# Altium PCB FisioV2.PcbDoc
Units mil, origin at the board's own origin, x right, y up, seen from the top; angles counter-clockwise.
Board outline 3896 x 2012 mil, 2 copper layers (Top Layer, Bottom Layer); 124 components, 107 nets, 494 pads, 48 vias.
Unrouted connection lines stored in the file: 38.
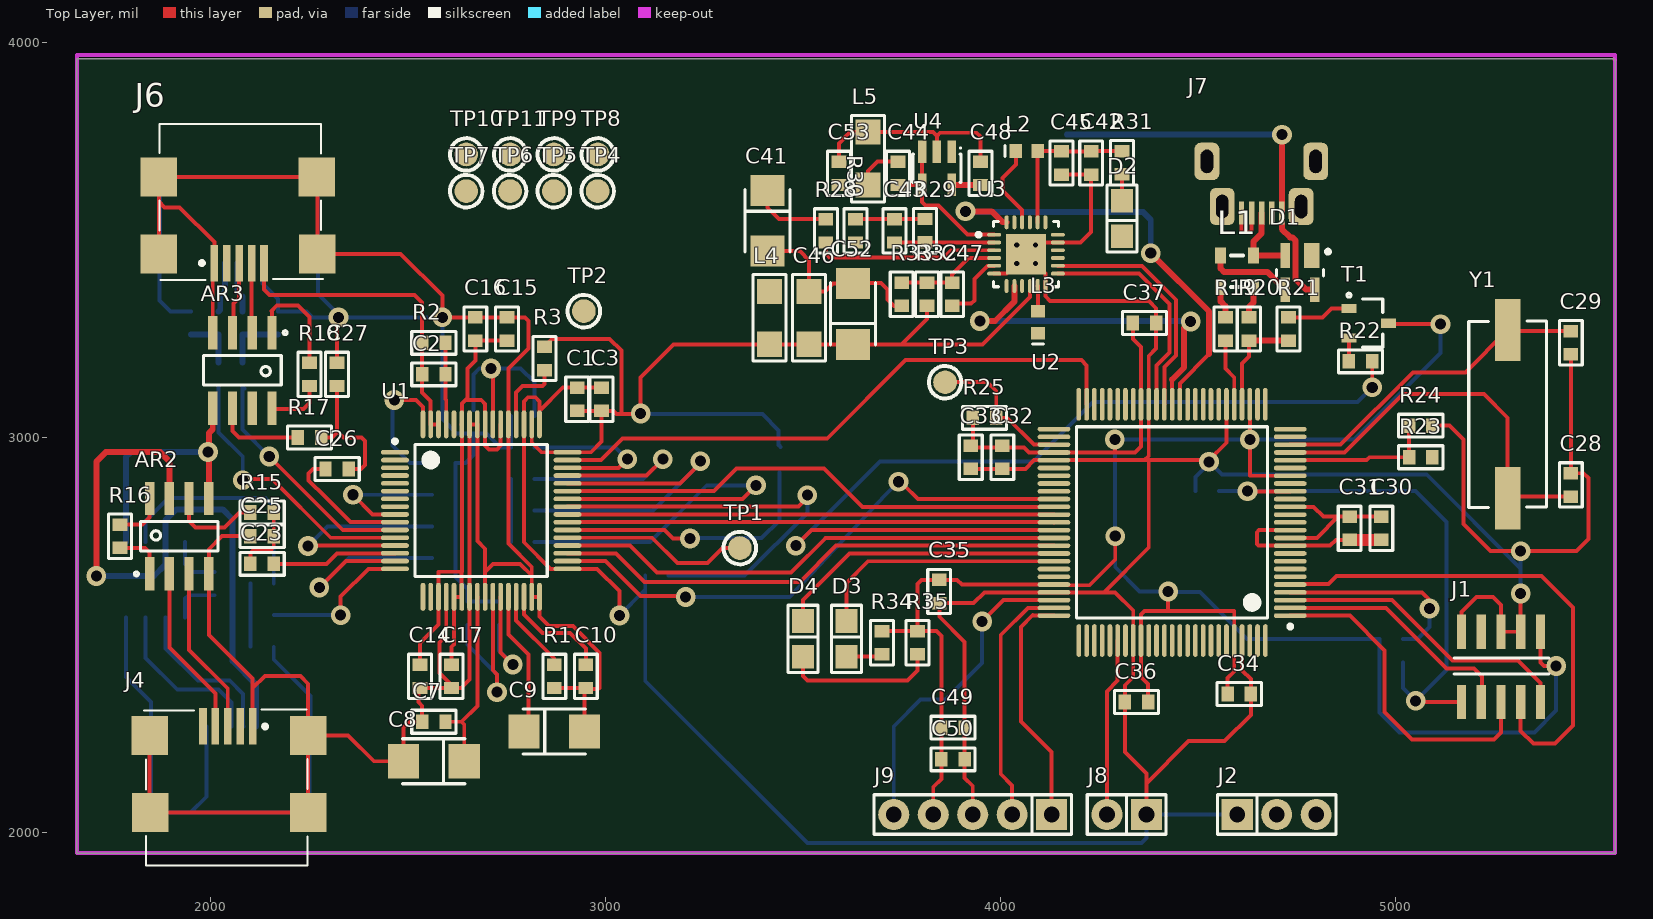
[diagram p0: Top Layer view]
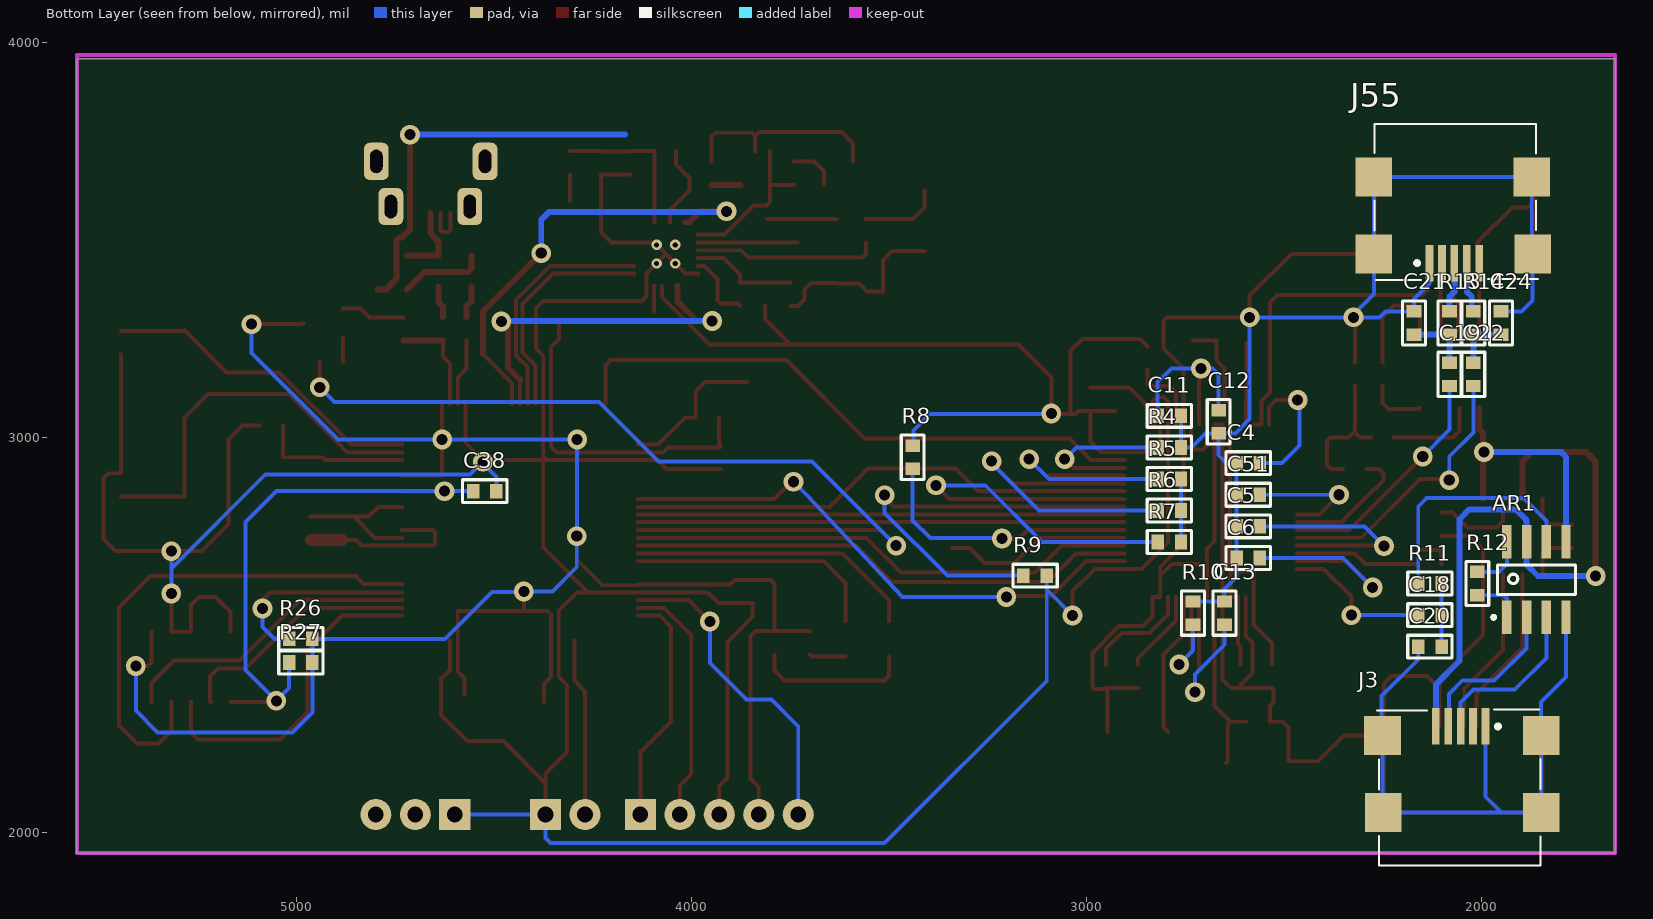
[diagram p1: Bottom Layer view, seen from below]

## Layer stack, top to bottom
Top Solder: solder mask 0.4, Solder Resist, Dk 3.5
Top Layer: signal copper 1.4
Dielectric1: dielectric 12.6, FR-4, Dk 4.8
Bottom Layer: signal copper 1.4
Bottom Solder: solder mask 0.4, Solder Resist, Dk 3.5

## Board outline
1661,1947 1661,3959 5554,3959 5557,3956 5557,1947

## Design rules (kind name [scope] priority, off if disabled: settings)
Clearance [All] p1: gap=7
ComponentClearance [All] p1: gap=0 collisioncheckmode=3 verticalgap=0 showdistances=FALSE
DiffPairsRouting [All] p1: maxlimit=10 minlimit=10 mostfreqgap=10 toplayer_minwidth=15 toplayer_maxwidth=15 toplayer_prefwidth=15 bottomlayer_minwidth=15 bottomlayer_maxwidth=15 bottomlayer_prefwidth=15 maxuncoupledlength=500
PolygonConnect [All] p1: connectstyle=Relief reliefconductorwidth=10 reliefentries=4 polygonreliefangle="90 Angle" airgapwidth=10
RoutingVias [All] p1: holewidth=28 width=50 viastyle="Through Hole" minholewidth=28 minwidth=50 maxholewidth=28 maxwidth=50
SilkToSolderMaskClearance SilkscreenOverComponentPads [IsPad] p1: minsilkscreentomaskgap=10 clearancetoexposedcopper=TRUE
SolderMaskExpansion [All] p1: expansion=4
Width [All] p1: maxlimit=30 minlimit=10 preferedwidth=15
26 further rules are at their usual default settings.

## Classes and differential pairs
component class ADS: C1 C2 C3 C4 C5 C6 C7 C8 C9 C10 C11 C12 C13 C14 C15 C16 C17 C51 R1 R2 R3 R4 R5 R6 R7 R8 R9 R10 TP1 TP2 U1
component class AFE: AR1 AR2 AR3 C18 C19 C20 C21 C22 C23 C24 C25 C26 C27 R11 R12 R13 R14 R15 R16 R17 R18
component class Bluetooth: C49 C50 J9
component class Microcontroller: D1 L1 R19 R20 R21 R22 T1
component class Peripherials: D3 D4 R23 R24 R25 R34 R35 TP3 U2
component class "Power Supply": C41 C42 C43 C44 C45 C46 C47 C48 C52 C53 D2 L2 L3 L4 L5 R28 R29 R30 R31 R32 R33 TP4 TP5 TP6 TP7 TP8 TP9 TP10 TP11 U3 U4
component class Supply: C28 C29 C30 C31 C32 C33 C34 C35 C36 C37 C38 J1 R26 R27 Y1
component class TopSheet: J2 J3 J4 J6 J7 J8 J55
differential pair USB: +USB_P -USB_N
differential pair US: +US_P -US_N
differential pair U: +U_P -U_N

## Components (designator, comment, footprint, x,y, rotation, side; value= is the part's Value field where it differs from the comment)
AR1 "Op Amp" SOIC8 1860,2640 r90 bottom
AR2 "Op Amp" SOIC8 1920,2750 r90 top
AR3 "Op Amp" SOIC8 2080,3170 r270 top
C1 "Capacitor" 0603 2928,3097 r90 top
C2 "Capacitor" 0603 2565,3160 r180 top
C3 "Capacitor" 0603 2990,3097 r90 top
C4 "Capacitor" 0603 2590,2935 r0 bottom
C5 "Capacitor" 0603 2590,2775 r180 bottom
C6 "Capacitor" 0603 2590,2695 r180 bottom
C7 "Capacitor" 0603 2565,2280 r0 top
C8 "CAPPOL" "1211 (3528)" 2565,2180 r180 top
C9 "CAPPOL" "1211 (3528)" 2870,2255 r0 top
C10 "Capacitor" 0603 2950,2395 r90 top
C11 "Capacitor" 0603 2790,3055 r0 bottom
C12 "Capacitor" 0603 2665,3040 r90 bottom
C13 "Capacitor" 0603 2650,2555 r270 bottom
C14 "Capacitor" 0603 2530,2395 r270 top
C15 "Capacitor" 0603 2750,3275 r90 top
C16 "Capacitor" 0603 2670,3275 r90 top
C17 "Capacitor" 0603 2610,2395 r270 top
C18 "Capacitor" 0603 2130,2550 r0 bottom
C19 "Capacitor" 0603 2080,3160 r270 bottom
C20 "Capacitor" 0603 2130,2470 r0 bottom
C21 "Capacitor" 0603 2170,3290 r90 bottom
C22 "Capacitor" 0603 2020,3160 r270 bottom
C23 "Capacitor" 0603 2130,2680 r0 top
C24 "Capacitor" 0603 1950,3290 r90 bottom
C25 "Capacitor" 0603 2130,2750 r180 top
C26 "Capacitor" 0603 2320,2920 r180 top
C27 "Capacitor" 0603 2320,3160 r90 top
C28 "Capacitor" 0603 5445,2880 r270 top
C29 "Capacitor" 0603 5445,3240 r90 top
C30 "Capacitor" 0603 4965,2770 r90 top
C31 "Capacitor" 0603 4885,2770 r90 top
C32 "Capacitor" 0603 4005,2950 r270 top
C33 "Capacitor" 0603 3925,2950 r270 top
C34 "Capacitor" 0603 4605,2350 r0 top
C35 "Capacitor" 0603 3845,2610 r270 top
C36 "Capacitor" 0603 4345,2330 r180 top
C37 "Capacitor" 0603 4365,3290 r0 top
C38 "Capacitor" 0603 4524,2864 r180 bottom
C41 "CAPPOL" "1211 (3528)" 3410,3549 r270 top
C42 "Capacitor" 0603 4230,3695.47 r270 top
C43 "Capacitor" 0603 3732,3523.53 r90 top
C44 "Capacitor" 0603 3741,3669.2 r270 top
C45 "Capacitor" 0603 4155,3695.47 r90 top
C46 "Capacitor" 1206 3515.35,3303 r90 top
C47 "Capacitor" 0603 3878,3363 r90 top
C48 "Capacitor" 0603 3950,3669.2 r270 top
C49 "Capacitor" 0603 3880,2265 r0 top
C50 "Capacitor" 0603 3880,2185 r0 top
C51 "Capacitor" 0603 2590,2855 r180 bottom
C52 "CAPPOL" "1211 (3528)" 3627,3313 r90 top
C53 "Capacitor" 0603 3591,3669.2 r270 top
D1 "ESD Diode" SOT-143_M 4759,3417.69 r270 top
D2 "LED" LED0805 4308,3555 r270 top
D3 "LED" LED0805 3610,2490 r90 top
D4 "LED" LED0805 3500,2490 r90 top
J1 "JTAG" JTAG_CON 5190,2405 r270 top
J2 "CON3" SIP3 4700,2045 r0 top
J3 "usb" USB_Mini_TipoB 2070,2300 r270 bottom
J4 "usb" USB_Mini_TipoB 2025,2300 r270 top
J6 "usb" USB_Mini_TipoB 2090,3410 r90 top
J7 "USB" USB_Micro-B_USB 4662,3789 r180 top
J8 "CON2" SIP2 4320,2045 r180 top
J9 "CON5" SIP5 4130,2045 r180 top
J55 "usb" USB_Mini_TipoB 2050,3410 r90 bottom
L1 "Choke Coil" 1206-4 4599,3421 r180 top
L2 "Inductor" INDC1608L 4066.97,3725.47 r0 top
L3 "Inductor" INDC1608L 4095,3292 r90 top
L4 "Inductor Iron" 1206 3415,3303 r90 top
L5 "Inductor Iron" 1206 3665,3706.68 r270 top
R1 "Resistor" 0603 2870,2395 r90 top
R2 "Resistor" 0603 2565,3240 r0 top
R3 "Resistor" 0603 2845,3200 r90 top
R4 "Resistor" 0603 2790,2975 r180 bottom
R5 "Resistor" 0603 2790,2895 r180 bottom
R6 "Resistor" 0603 2790,2815 r180 bottom
R7 "Resistor" 0603 2790,2735 r180 bottom
R8 "Resistor" 0603 3440,2950 r90 bottom
R9 "Resistor" 0603 3130,2650 r180 bottom
R10 "Resistor" 0603 2730,2555 r270 bottom
R11 "Resistor" 0603 2130,2630 r180 bottom
R12 "Resistor" 0603 2010,2630 r90 bottom
R13 "Resistor" 0603 2080,3290 r270 bottom
R14 "Resistor" 0603 2020,3290 r270 bottom
R15 "Resistor" 0603 2130,2810 r0 top
R16 "Resistor" 0603 1770,2750 r90 top
R17 "Resistor" 0603 2250,3000 r0 top
R18 "Resistor" 0603 2250,3160 r270 top
R19 "Resistor" 0603 4570,3275 r270 top
R20 "Resistor" 0603 4630,3275 r270 top
R21 "Resistor" 0603 4730,3275 r270 top
R22 "Resistor" 0603 4912.47,3193 r0 top
R23 "Resistor" 0603 5065,2950 r0 top
R24 "Resistor" 0603 5065,3030 r180 top
R25 "Resistor" 0603 3960,3050 r0 top
R26 "Resistor" 0603 4990,2490 r180 bottom
R27 "Resistor" 0603 4990,2430 r180 bottom
R28 "Resistor" 0603 3558,3523.53 r270 top
R29 "Resistor" 0603 3809,3524 r270 top
R30 "Resistor" 0603 3633,3523.53 r90 top
R31 "Resistor" 0603 4308,3695.94 r90 top
R32 "Resistor" 0603 3814,3363 r90 top
R33 "Resistor" 0603 3750,3363 r270 top
R34 "Resistor" 0603 3700,2480 r90 top
R35 "Resistor" 0603 3790,2480 r90 top
T1 "PNP" SOT23 4882.94,3327 r270 top
TP1 "CLK" PAD 3340,2720 r0 top
TP2 "VCAP3" PAD 2945,3320 r0 top
TP3 "TP" PAD 3860,3140 r180 top
TP4 "VBUS" PAD 2980,3624 r0 top
TP5 "VB" PAD 2869,3624 r0 top
TP6 "LDO" PAD 2758,3624 r0 top
TP7 "VDD" PAD 2647,3624 r0 top
TP8 "VREF" PAD 2980,3717 r0 top
TP9 "AVDD" PAD 2869,3717 r0 top
TP10 "GND" PAD 2647,3717 r90 top
TP11 "AGND" PAD 2758,3717 r90 top
U1 "ADS1298" PAG64 2685,2820 r0 top
U2 "LPC176x" QFP100 4435,2785 r180 top
U3 "Battery Charger" QFN24 4065,3464.47 r0 top
U4 "Voltage Reference" SOT23-5 3839,3682 r180 top
Y1 "12MHz" "Cristal SMD" 5285,3060 r270 top

## Footprints (in the part's own frame and the unit in brackets; to place one, negate y for a bottom-side part, rotate by r counter-clockwise, add the part's x,y. Pads: shape width x height; smd on the part's side, far side on the other; paste and mask are expansions set on the pad)
0603 [mm] "Pasivo 0603"
  rect 0.8x0.95 smd: 1(-0.75,0) 2(0.75,0)
  silkscreen extent -1.42,-0.74 1.42,0.74, body extent -0.8,-0.41 0.8,0.39, height 0.44
1206 [mil] "Pasivo 1206"
  rect 64x64 smd: 1(-67,0) 2(67,0)
  silkscreen extent -109,-42 110,42, body extent -62,-32 63,31, height 20
1206-4 [mil] "1206 4 pin"
  rect 27.56x39.37 smd: 1(-42,-40) 2(-42,40) 3(41,40) 4(41,-40)
  silkscreen extent -16,-40 15,40, body extent -43,-63 31,63, height 45
"1211 (3528)" [mm] "3528"
  rect 2x2.2 smd: 1(-1.956,0) 2(1.956,0)
  silkscreen extent -2.01,-1.45 2.01,1.45, body extent -1.85,-1.46 1.85,1.47, height 2.03
"Cristal SMD" [mil]
  rect 157.48x64 smd: 1(-212,0) 2(214,0)
  silkscreen extent -235,-98 237,98, body extent -251,-95 253,95, height 169
INDC1608L [mm] "Chip Inductor, Body 1.6x0.8mm, IPC High Density"
  rect 0.8x0.9 smd: 1(-0.7,0) 2(0.7,0)
  silkscreen extent -1.4,-0.35 -1.4,0.35, body extent -0.87,-0.48 0.87,0.48, height 0.55
JTAG_CON [mm]
  rect 2.2x0.6 smd: 1(-2.616,4.521) 2(1.913,4.521) 3(-2.616,3.251) 4(1.913,3.251) 5(-2.616,1.981) 6(1.913,1.981) 7(-2.616,0.711) 8(1.913,0.711) 9(-2.616,-0.559) 10(1.913,-0.559)
  silkscreen extent -0.91,-1.04 0.1,5.08, body extent -3.16,-1.17 2.34,5.18, height 4.5
LED0805 [mil] "LED SMD 0805"
  rect 60x56 smd: 1(-45,0) 2(45,0)
  silkscreen extent -85,-38 85,38, body extent -41,-18 41,18, height 33
PAD [mil] "Test Point Pad"
  round 60 smd: 1(0,0)
  silkscreen extent -41,-41 41,41
PAG64 [mm]
  oval 1.8x0.3 smd: 1(-5.55,3.623) 2(-5.55,3.123) 3(-5.55,2.623) 4(-5.55,2.123) 5(-5.55,1.623) 6(-5.55,1.123) 7(-5.55,0.623) 8(-5.55,0.123) 9(-5.55,-0.377) 10(-5.55,-0.877) 11(-5.55,-1.377) 12(-5.55,-1.877) 13(-5.55,-2.377) 14(-5.55,-2.877) 15(-5.55,-3.377) 16(-5.55,-3.877) 33(5.55,-3.877) 34(5.55,-3.377) 35(5.55,-2.877) 36(5.55,-2.377) 37(5.55,-1.877) 38(5.55,-1.377) 39(5.55,-0.877) 40(5.55,-0.377) 41(5.55,0.123) 42(5.55,0.623) 43(5.55,1.123) 44(5.55,1.623) 45(5.55,2.123) 46(5.55,2.623) 47(5.55,3.123) 48(5.55,3.623)
  oval 0.3x1.8 smd: 17(-3.75,-5.677) 18(-3.25,-5.677) 19(-2.75,-5.677) 20(-2.25,-5.677) 21(-1.75,-5.677) 22(-1.25,-5.677) 23(-0.75,-5.677) 24(-0.25,-5.677) 25(0.25,-5.677) 26(0.75,-5.677) 27(1.25,-5.677) 28(1.75,-5.677) 29(2.25,-5.677) 30(2.75,-5.677) 31(3.25,-5.677) 32(3.75,-5.677) 49(3.75,5.423) 50(3.25,5.423) 51(2.75,5.423) 52(2.25,5.423) 53(1.75,5.423) 54(1.25,5.423) 55(0.75,5.423) 56(0.25,5.423) 57(-0.25,5.423) 58(-0.75,5.423) 59(-1.25,5.423) 60(-1.75,5.423) 61(-2.25,5.423) 62(-2.75,5.423) 63(-3.25,5.423) 64(-3.75,5.423)
  silkscreen extent -5.67,-4.38 4.25,4.45, body extent -5.73,-5.92 5.84,5.66, height 1
QFN24 [mm] "24-Pin Plastic Quad Flat No-Lead 0.5 mm Pitch, IPC Low Density"
  oval 0.9x0.25 smd: 1(-2.05,1.25) 2(-2.05,0.75) 3(-2.05,0.25) 4(-2.05,-0.25) 5(-2.05,-0.75) 6(-2.05,-1.25) 13(2.05,-1.25) 14(2.05,-0.75) 15(2.05,-0.25) 16(2.05,0.25) 17(2.05,0.75) 18(2.05,1.25)
  oval 0.25x0.9 smd: 7(-1.25,-2.05) 8(-0.75,-2.05) 9(-0.25,-2.05) 10(0.25,-2.05) 11(0.75,-2.05) 12(1.25,-2.05) 19(1.25,2.05) 20(0.75,2.05) 21(0.25,2.05) 22(-0.25,2.05) 23(-0.75,2.05) 24(-1.25,2.05)
  rect 2.6x2.6 smd: 25(0,0)
  silkscreen extent -3.17,-2.1 2.1,2.1, body extent -2.07,-2.07 2.07,2.07, height 1
QFP100 [mm] "Thin QFP, 100-Leads, Body 14x14mm, Pitch 0.5mm, IPC Low Density"
  oval 2.1x0.3 smd: 1(-7.6,6) 2(-7.6,5.5) 3(-7.6,5) 4(-7.6,4.5) 5(-7.6,4) 6(-7.6,3.5) 7(-7.6,3) 8(-7.6,2.5) 9(-7.6,2) 10(-7.6,1.5) 11(-7.6,1) 12(-7.6,0.5) 13(-7.6,0) 14(-7.6,-0.5) 15(-7.6,-1) 16(-7.6,-1.5) 17(-7.6,-2) 18(-7.6,-2.5) 19(-7.6,-3) 20(-7.6,-3.5) 21(-7.6,-4) 22(-7.6,-4.5) 23(-7.6,-5) 24(-7.6,-5.5) 25(-7.6,-6) 51(7.6,-6) 52(7.6,-5.5) 53(7.6,-5) 54(7.6,-4.5) 55(7.6,-4) 56(7.6,-3.5) 57(7.6,-3) 58(7.6,-2.5) 59(7.6,-2) 60(7.6,-1.5) 61(7.6,-1) 62(7.6,-0.5) 63(7.6,0) 64(7.6,0.5) 65(7.6,1) 66(7.6,1.5) 67(7.6,2) 68(7.6,2.5) 69(7.6,3) 70(7.6,3.5) 71(7.6,4) 72(7.6,4.5) 73(7.6,5) 74(7.6,5.5) 75(7.6,6)
  oval 0.3x2.1 smd: 26(-6,-7.6) 27(-5.5,-7.6) 28(-5,-7.6) 29(-4.5,-7.6) 30(-4,-7.6) 31(-3.5,-7.6) 32(-3,-7.6) 33(-2.5,-7.6) 34(-2,-7.6) 35(-1.5,-7.6) 36(-1,-7.6) 37(-0.5,-7.6) 38(0,-7.6) 39(0.5,-7.6) 40(1,-7.6) 41(1.5,-7.6) 42(2,-7.6) 43(2.5,-7.6) 44(3,-7.6) 45(3.5,-7.6) 46(4,-7.6) 47(4.5,-7.6) 48(5,-7.6) 49(5.5,-7.6) 50(6,-7.6) 76(6,7.6) 77(5.5,7.6) 78(5,7.6) 79(4.5,7.6) 80(4,7.6) 81(3.5,7.6) 82(3,7.6) 83(2.5,7.6) 84(2,7.6) 85(1.5,7.6) 86(1,7.6) 87(0.5,7.6) 88(0,7.6) 89(-0.5,7.6) 90(-1,7.6) 91(-1.5,7.6) 92(-2,7.6) 93(-2.5,7.6) 94(-3,7.6) 95(-3.5,7.6) 96(-4,7.6) 97(-4.5,7.6) 98(-5,7.6) 99(-5.5,7.6) 100(-6,7.6)
  silkscreen extent -7.73,-6.15 6.15,6.82, body extent -8.01,-8.01 8.01,8.01, height 1.1
SIP2 [mm]
  rect 2x2 hole 1.016: 1(-1.27,0)
  round 2 hole 1.016: 2(1.27,0)
  silkscreen extent -2.54,-1.27 2.54,1.27, body extent -2.54,-1.27 2.54,1.27, height 8.29
SIP3 [mm]
  rect 2x2 hole 1.016: 1(-2.54,0)
  round 2 hole 1.016: 2(0,0) 3(2.54,0)
  silkscreen extent -3.81,-1.27 3.81,1.27, body extent -3.81,-1.3 3.81,1.24, height 8.38
SIP5 [mm]
  rect 2x2 hole 1.016: 1(0,0)
  round 2 hole 1.016: 2(2.54,0) 3(5.08,0) 4(7.62,0) 5(10.16,0)
  silkscreen extent -1.27,-1.27 11.43,1.27, body extent -1.27,-1.27 11.43,1.27, height 8.38
SOIC8 [mm]
  rect 2.15x0.6 smd: 1(-2.425,1.905) 2(-2.425,0.635) 3(-2.425,-0.635) 4(-2.425,-1.905) 5(2.425,-1.905) 6(2.425,-0.635) 7(2.425,0.635) 8(2.425,1.905)
  silkscreen extent -2.55,-2.5 0.95,2.88, body extent -3.01,-2.51 3.01,2.49, height 1.75
SOT23 [mm]
  rect 0.6x0.95 smd: 1(0,0) 2(1.9,0) 3(0.95,2.55)
  silkscreen extent -0.97,-0.12 2.5,2.17, body extent -0.53,-0.25 2.47,2.88, height 1
SOT23-5 [mm] "SOT-23/SC-74A; 5 Leads; Body 3 x 3 mm, inc. leads (LxW max)"
  rect 0.55x1.45 smd: 1(-0.95,-1.075) 2(0,-1.075) 3(0.95,-1.075) 4(0.95,1.075) 5(-0.95,1.075)
  silkscreen extent -1.58,-1.35 1.55,0.9, body extent -1.46,-1.17 1.46,1.17, height 1
SOT-143_M [mm] "SOT143, 4-Leads, Body 2.9x1.3mm, Pitch 1.9mm, Lead Span 2.5mm, IPC Low Density"
  rect 1.6x1 smd: 1(-1.1,0.75)
  rect 1.6x0.6 smd: 2(-1.1,-0.95) 3(1.1,-0.95) 4(1.1,0.95)
  silkscreen extent -1.47,-1.5 0.2,1.93, body extent -1.18,-1.45 1.18,1.45, height 1.22
USB_Micro-B_USB [mm]
  round 0.508 on Mech15: 0(0,0)
  rrect20% 0.35x1.5 smd: 1(-1.3,5.6) 2(-0.65,5.6) 3(0,5.6) 4(0.65,5.6) 5(1.3,5.6)
  rrect50% 1.6x2.4 hole 0.8 slot 1.5 at 90 deg: 6(-3.475,2.275) 6(-2.54,5.182) 6(2.54,5.182) 6(3.525,2.275)
  body extent -4.02,-0.3 4.02,5.3, height 2.7
USB_Mini_TipoB [mm] "USB MINI SMD TIPO B"
  rect 2.35x0.5 smd: 1(0.811,-1.143) 2(0.811,-0.343) 3(0.811,0.457) 4(0.812,2.057) 7(0.811,1.257)
  rect 2.5x2.35 smd: 5(1.397,5.632) 5(6.35,5.632) 6(1.397,-4.572) 6(6.35,-4.521)
  silkscreen extent -0.28,-4.93 9.75,5.59, body extent 0.25,-4.49 9.45,5.41, height 4.17

## Part data
AR1 AR2 AR3: "FET Operational Amplifier"
D1: "ESD Protection"
J1: library part CON5*2
J3 J4 J6 J55: library part USB_Mini
L4 L5: "Magnetic-Core Inductor"
TP1 TP2 TP3 TP4 TP5 TP6 TP7 TP8 TP9 TP10 TP11: library part "Test Point", "Test Point"
U2: library part LPC_17x, "LPC176x Microcontroller"
U3: library part LT3566
Y1: library part XTAL, "Crystal Oscillator"

## Via types
v1: diameter 50, hole 28, Top Layer to Bottom Layer, 44 vias
v2: diameter 25.98, hole 12.99, Top Layer to Bottom Layer, tented top, 4 vias

## Nets (pads, with @x,y where several pads share a name; then routed paths per layer and width w, separated by ;. In a path a pad name is that pad's centre, name@x,y a point inside that pad or via, vN(x,y) a via of type N, cw(c..) or ccw(c..) an arc to the next point about the centre after c; other vN are vias at no path point)
ADS_PWD: U1.35 U2.66 | length 1300.5
  Top Layer w10: U1.35 3026.27,2706.73 3099,2634 3492,2634 3583.94,2725.94 U2.66
ADS_RST: U1.36 U2.65 | length 1296.9
  Top Layer w10: U1.36 3061.58,2726.42 3130,2658 3470,2658 3557.63,2745.63 U2.65
AVDD: AR1.7 AR2.7 AR3.7 C14.1 C15.1 C16.1 C17.1 C30.1 C31.1 C53.2 J3.1 J4.1 L4.2 TP9.1 U1.19 U1.21 U1.22 U1.54 U1.56 U1.59 U2.10 U2.12 | length 3550.3
  Top Layer w10: C14.1 2530,2480 2576.73,2526.73 U1.19 2576.73,2660 2635.79,2660 U1.59 ; C17.1 2610,2470 2616.1,2476.1 U1.21 U1.22 2635,2597.28 2635,2660 ; U1.59@2635,3032.72 U1.59 ; U1.56@2695,3010.16 2694.84,3010 2694.84,2980.16 2705,2970 2725,2970 2734.21,2979.21 U1.54 ; U1.56@2695,3033.5 2695,3085 2685,3095 2645,3095 ; 2730,3245.47 C16.1 2670,3195 2650,3175 2650,3100 2645,3095 ; U2.12 4655.31,2765.32 4650,2760 4650,2730 4654.06,2725.94 U2.10 4835.47,2725.94 4850,2740.47 C31.1@4895,2740.47 ; U1.59 2635.79,3085.79 2645,3095
  Top Layer w15: v1@1709,2648 v1(1710,2649) 1710,2939 1734,2963 1872,2963 1895,2940 AR2.7
  Top Layer w30: C31.1 C30.1
  Bottom Layer w15: v1(1710,2649) 1856,2649 1885,2678 AR1.7 1885,2790 1913,2818 2030,2818 2055,2793 2055,2434 2114.99,2374.01 J3.1
AVREF: AR1.5 AR2.5 AR3.5 C48.2 TP8.1 U4.5 | length 738.4
  Top Layer w15: AR2.5 1995,2961 v1(1993,2963) 1995,2965 1995,3011 2005,3021 AR3.5 ; U4.5 C48.2
  Bottom Layer w15: AR1.5 1785,2951 1797,2963 v1(1993,2963) v1@1994,2962
AVSS: AR1.4 AR2.4 AR3.4 C4.2 C5.1 C6.1 C7.1 C8.2 C9.2 C10.1 C11.1 C12.1 C13.1 C14.2 C15.2 C16.2 C17.2 C20.2 C21.2 C24.2 C25.2 C27.2 C30.2 C31.2 C48.1 C51.1 C53.1 J3.4 J3.5 J3.6 J4.4 J4.5 J4.6 J6.4 J6.5 J6.6 J55.4 J55.5 J55.6 L5.1 R1.1 R4.2 R5.2 R6.2 R7.2 R10.1 TP11.1 U1.20 U1.23 U1.25 U1.31 U1.32 U1.53 U1.57 U1.58 U2.11 U2.15 U4.2 | length 12683.7
  Top Layer w10: J4.6@1845,2245 1845,2052 1847,2050 2246.74,2050 J4.5@2246.74,2245 ; J6.5@1868.26,3465 1868.26,3597.74 ; AR3.4 2005,3437.94 J6.4 2009.01,3494.99 1921,3583 1883,3583 1868.26,3597.74 ; C25.2 2028,2750 1995,2717 AR2.4 1995,2500 2105.99,2389.01 2105.99,2364.99 ; J4.4 2105.99,2364.99 ; C27.2 2320,3301 v1(2323.53,3304.53) ; U1.20 2596.42,2497.58 2579.3,2480.46 2579.3,2403.81 2610,2373.11 C17.2 ; U1.25 2694.84,2659.84 ; R1.1 C10.1 C10.1@2947,2362.47 ; C9.2 C10.1@2947,2362.47 ; C53.1 3591,3745 3619.68,3773.68 L5.1 3829.32,3773.68 3839,3764 ; U4.2 3839,3764 ; C48.1 3950,3762 3940,3772 3847,3772 3839,3764 ; U2.11 4801.63,2745.63 4855.53,2799.53 ; U2.15 4793.63,2824.37 4818.47,2799.53 4855.53,2799.53 ; C30.2 C31.2 4855.53,2799.53 ; 1868.26,3597.74 1868.26,3660 2268,3660 2270,3658 2270,3465 2481,3465 2586.53,3359.47 v1(2586.53,3304.53) C16.2 C15.2 2795.47,3304.53 2805,3295 2805,3226 2753.9,3174.9 U1.53 2753.9,2731.1 2812.95,2672.05 2812.95,2650.05 ; 2105.99,2364.99 2137,2396 2227,2396 2246.74,2376.26 J4.5@2246.74,2245 ; J4.5@2246.74,2245 2348,2245 2413,2180 C8.2 2488,2265 2503,2280 C7.1 2535.47,2320.53 2526,2330 2526,2361.47 C14.2 C17.2 ; C17.2 2634.47,2365.47 2655.47,2386.47 U1.23 U1.58 U1.57 2675.16,2737.84 2694.84,2718.16 2694.84,2659.84 ; 2694.84,2659.84 2715,2680 2783,2680 2812.95,2650.05 ; 2812.95,2650.05 U1.31 U1.32 2832.64,2546.36 2857,2522 2917.04,2522 2985,2454.04 2985,2366 2981.47,2362.47 C10.1@2947,2362.47
  Bottom Layer w10: AR1.4 1785,2393 1848.26,2329.74 1848.26,2245 1848.26,2050 1949,2050 ; C24.2 1897.47,3319.53 1870,3347 1870,3465 1872,3467 1872,3660 2271.74,3660 2271.74,3465 2271.74,3363.26 2323.53,3311.47 v1(2323.53,3304.53) ; J3.4 1989.01,2090.01 1949,2050 ; J55.4@2130.99,3482.99 J55.4 2130.99,3390.01 2170,3351 C21.2 2242.47,3319.53 2257.47,3304.53 v1(2323.53,3304.53) ; C20.2 2159.53,2437.47 2252,2345 2252,2247 2250,2245 2250,2052 2248,2050 1949,2050 ; R10.1 C13.1 2650,2616 2619.53,2646.47 C6.1 C5.1 C51.1 C4.2 2645,2935 2665,2955 C12.1 ; R7.2 R6.2 R5.2 ; C11.1 R4.2 2734,2975 2698.53,3010.47 C12.1 ; v1(2323.53,3304.53) v1(2586.53,3304.53) 2586.53,3046.47 2622.53,3010.47 C12.1
BT_KEY: J9.5 U2.73 | length 822.9
  Top Layer w10: v1(3954,2534) 4008.15,2588.15 U2.73
  Bottom Layer w10: J9.5 3730,2268 3798,2336 3861,2336 3954,2429 v1(3954,2534)
BT_RX: J9.2 U2.74 | length 630.2
  Top Layer w10: J9.2 4030,2119 4001,2148 4001,2500 4069.46,2568.46 U2.74
BT_TX: J9.1 U2.75 | length 604
  Top Layer w10: J9.1 4130,2203 4052,2281 4052,2520 4082,2550 4083.22,2548.78 U2.75
ECG+: J55.3 R13.1 | length 127.4
  Bottom Layer w15: J55.3 2068,3369 2080,3357 R13.1
ECG-: J55.2 R14.1 | length 129.2
  Bottom Layer w15: R14.1 2024,3323.53 2024,3357 2036.5,3369.5 J55.2
ECG_ACOND+: C19.2 U1.11 | length 610.8
  Top Layer w10: v1(2148.01,2951.99) 2334.21,2765.79 U1.11
  Bottom Layer w10: C19.2@2086,3124.47 C19.2 2080,3020 v1(2148.01,2951.99)
ECG_ACOND-: C22.2 U1.12 | length 712.2
  Top Layer w10: v1(2081,2892) 2084,2895 2155,2895 2303.9,2746.1 U1.12
  Bottom Layer w10: C22.2 2020,3013 2081,2952 v1(2081,2892)
EEG+: AR3.3 J6.3 | length 183.5
  Top Layer w10: AR3.3 2057,3267.47 2057,3339 2072,3354 J6.3
EEG-: AR3.2 J6.2 | length 177.1
  Top Layer w10: J6.2 2103.5,3266.98 AR3.2
EEG_ACOND: C26.2 U1.10 | length 327.2
  Top Layer w10: C26.2 2259,2920 2248,2909 2248,2891 2290,2849 2353.53,2785.47 U1.10
GND: C1.2 C3.2 C28.1 C29.1 C32.2 C33.2 C34.2 C35.2 C36.2 C37.2 C38.2 C41.2 C42.2 C44.1 C45.1 C46.2 C49.2 C50.2 C52.2 D1.1 J1.3 J1.5 J1.9 J2.1 J7.4 J7.5 J7.6 J8.1 J9.3 L5.2 R9.2 R24.1 R33.2 TP10.1 U1.33 U1.49 U1.51 U2.31 U2.41 U2.55 U2.72 U2.83 U2.97 U3.6 U3.12 U3.17 U3.25 | length 11151.5
  Top Layer w10: C3.2 C1.2 2891.53,3126.53 2832.64,3067.64 U1.49 2832.64,3091.36 2822,3102 2804,3102 2793.27,3091.27 U1.51 2793.27,2734.73 2860.64,2667.36 U1.33 2978.64,2667.36 3035,2611 v1(3035,2549) ; C41.2 3492,3472 3515.35,3448.65 C46.2 3556,3370 3576,3390 C52.2 ; C52.2@3631,3390 3632,3391 3698,3391 3714,3375 3714,3350 3730.53,3333.47 R33.2 ; L5.2 3665,3675 3688.73,3698.73 C44.1 ; C33.2 C32.2 4063.47,2920.47 4085.48,2942.48 U2.55 4365.48,2942.48 ; J9.3 3930,2117 3909.53,2137.47 C50.2 C49.2 3909.53,2482.47 3846,2546 3846,2579.47 C35.2 3932.47,2580.47 3959.83,2607.83 U2.72 4262.83,2607.83 ; U3.6 4015.79,3415.26 U3.25 ; C45.1 C42.2 4230,3521 4203,3494 U3.17 4094.53,3494 U3.25 ; J8.1 4370,2124 ; v1(4528.48,2938.52) v1@4528.48,2942.48 ; U2.31 4572.8,2986.8 v1@4528.48,2942.48 ; J7.5 4610.82,3525.18 4616,3520 4632,3520 4636.41,3524.41 J7.4 ; U2.97 4612.17,2410.31 4634.53,2387.95 C34.2 4634.53,2297.53 4568,2231 4477,2231 4370,2124 ; R24.1 5138,3030 5173,2995 5173,2781 5242,2712 v1(5318,2712) 5459,2712 5490,2743 5490,2897 5477.47,2909.53 C28.1 C29.1 ; J1.9 5168,2558 5206,2596 5248,2596 5268,2576 J1.5 J1.3 v1(5318,2605) ; U3.25 v2(4088.62,3440.85) 4114.21,3415.26 U3.12 4114.21,3357.79 4126,3346 4376,3346 4394.53,3327.47 C37.2 4394.53,3225.53 4375.94,3206.94 U2.41 4375.94,2952.94 4365.48,2942.48 ; 4262.83,2607.83 4290.17,2607.83 4336.57,2561.43 U2.83 4336.57,2393.57 4315.47,2372.47 C36.2 4315.47,2203.53 4370,2149 4370,2124 ; 4262.83,2607.83 4375.94,2720.94 4375.94,2942.48 ; 4365.48,2942.48 4375.94,2942.48 ; 4375.94,2942.48 v1@4528.48,2942.48
  Bottom Layer w10: v1(3035,2549) 3098,2612 3100.47,2612 ; R9.2 3100.47,2612 ; C38.2 4494.47,2899.47 4528.48,2933.48 v1(4528.48,2938.52) 4561,2906 5080,2906 5318,2668 ; J2.1 J8.1 4370,1985 4358,1973 3511,1973 3100.47,2383.53 3100.47,2612 ; v1(5318,2605) 5318,2668 ; v1(5318,2712) 5318,2668
  other v2: 4041.38,3440.85 4041.38,3488.09 4088.62,3488.09
JTAG_SWCLK: J1.4 U2.5 | length 1294.8
  Top Layer w10: U2.5 4735.99,2629.3 4831.3,2629.3 4851,2649 5371,2649 5451,2569 5451,2271 5405,2225 5350,2225 5318,2257 J1.4
JTAG_SWDIO: J1.2 U2.3 | length 769.1
  Top Layer w10: U2.3 4991.85,2588.15 5145,2435 5311,2435 5368,2378 J1.2
JTAG_SWO: J1.6 U2.1 | length 839.3
  Top Layer w10: U2.1 4885.22,2548.78 4973,2461 4973,2305 5043,2235 5250,2235 5268,2253 J1.6
JTAG_TDI: J1.8 U2.2 | length 623.8
  Top Layer w10: U2.2 4976.54,2568.46 5130,2415 5200,2415 5220,2395 5220,2331.7 J1.8
LDO3V3: C44.2 TP6.1 U3.1 U4.3 U4.4 | length 405.5
  Top Layer w10: C44.2 U4.4 ; U4.3 U4.4 ; U3.1 3917.31,3513.69 3843,3588 3810,3588 3801.6,3596.4 U4.4
NetAR1_1: AR1.1 R12.1 | length 126
  Bottom Layer w10: AR1.1 1935,2592 1943.47,2600.47 R12.1
NetAR1_6: AR1.6 R11.1 | length 606.5
  Bottom Layer w10: AR1.6 1835,2789 1893,2847 2138,2847 2159.53,2825.47 R11.1
NetAR1_8: AR1.8 R12.2 | length 139.5
  Bottom Layer w10: AR1.8 1935,2679 1954.47,2659.53 R12.2
NetAR2_1: AR2.1 R16.1 | length 134.2
  Top Layer w10: R16.1 1833.53,2720.47 1845,2709 AR2.1
NetAR2_6: AR2.6 R15.1 | length 235.3
  Top Layer w10: AR2.6 1945,2788 1961,2772 2035,2772 2073,2810 R15.1
NetAR2_8: AR2.8 R16.2 | length 130.7
  Top Layer w10: R16.2 1827.53,2779.53 1845,2797 AR2.8
NetAR3_1: AR3.1 R18.1 | length 284.8
  Top Layer w10: AR3.1 2155,3320 2154,3321 2167,3334 2221,3334 2250,3305 R18.1
NetAR3_6: AR3.6 R17.1 | length 230.6
  Top Layer w10: AR3.6 2055,3016 2071,3000 R17.1
NetAR3_8: AR3.8 R18.2 | length 145.7
  Top Layer w10: AR3.8 2157.53,3072 2235,3072 2250,3087 R18.2
NetC2_1: C2.1 R2.2 U1.61 | length 207.3
  Top Layer w10: R2.2 2594.53,3096.89 2596.42,3095 U1.61
NetC4_1: C4.1 U1.64 | length 359.9
  Top Layer w10: v1(2465,3095) 2520,3095 2537.36,3077.64 U1.64
  Bottom Layer w10: v1(2465,3095) 2460,3090 2460,2980 2505,2935 C4.1
NetC5_2: C5.2 U1.13 | length 555.7
  Top Layer w10: v1@2246,2726.42 U1.13
  Bottom Layer w10: v1(2246,2725) 2296,2775 C5.2
NetC6_2: C6.2 U1.15 | length 535.8
  Top Layer w10: v1(2275,2620) 2342.05,2687.05 U1.15
  Bottom Layer w10: v1(2275,2620) 2350,2695 C6.2
NetC7_2: C7.2 C8.1 U1.24 | length 483.6
  Top Layer w10: C7.2 2635,2280 ; C8.1@2647,2175 C8.1 2642,2273 2635,2280 ; U1.24 2675.16,2320.16 2635,2280
NetC9_1: C9.1 U1.28 | length 367.6
  Top Layer w10: U1.28 2753.9,2501.1 2805,2450 2805,2267 C9.1
NetC10_2: C10.2 U1.30 | length 277.9
  Top Layer w10: U1.30 2793.27,2551.73 2840,2505 2910,2505 2950,2465 C10.2
NetC11_2: C11.2 C12.2 TP2.1 U1.55 | length 488
  Top Layer w10: U1.55 v1@2714.53,3170.47
  Bottom Layer w10: C12.2 2665,3160 2680,3175 v1(2710,3175) 2785,3175 2819.53,3140.47 C11.2
NetC13_2: C13.2 U1.26 | length 447.4
  Top Layer w10: U1.26 2714.53,2410.47 2725,2400 v1(2725,2355)
  Bottom Layer w10: C13.2 2650,2475 2725,2400 v1(2725,2355)
NetC18_1: C18.1 C20.1 R11.2 | length 160
  Bottom Layer w10: C20.1 R11.2
NetC19_1: C19.1 C21.1 R13.2 | length 160.9
  Bottom Layer w15: C19.1 R13.2 C21.1
NetC22_1: C22.1 C24.1 R14.2 | length 140.9
  Bottom Layer w15: C24.1 R14.2 C22.1
NetC23_1: C23.1 C25.1 R15.2 | length 180.2
  Top Layer w10: C23.1 2100.47,2707.47 2108,2715 2152,2715 2159.53,2722.53 R15.2
NetC26_1: C26.1 C27.1 R17.2 | length 348.3
  Top Layer w10: R17.2 2307,3000 2320,3013 ; C27.1 2320,3016 2336,3000 2382,3000 2391,2991 2391,2930 2381,2920 C26.1
NetC28_2: C28.2 U2.22 Y1.2 | length 997.1
  Top Layer w10: U2.22 4872.17,2962.17 5020,3110 5225,3110 5285,3050 5285,2850 5285.47,2850.47 C28.2
NetC29_2: C29.2 U2.23 Y1.1 | length 832
  Top Layer w10: U2.23 4861.85,2981.85 5045,3165 5178,3165 Y1.1 5287.47,3269.53 C29.2
NetC43_1: C43.1 R29.2 U3.2 | length 252.7
  Top Layer w10: C43.1 3808.53,3494 R29.2 3809.47,3494 U3.2
NetC43_2: C43.2 R29.1 R30.2 | length 176.2
  Top Layer w10: R30.2 C43.2 3808.53,3553.06 R29.1
NetC47_1: C47.1 U3.5 | length 180.4
  Top Layer w10: C47.1 3883.53,3339 3926,3339 3934.31,3347.31 3934.31,3402 3967.25,3434.95 U3.5
NetC47_2: C47.2 R32.2 R33.1 U3.4 | length 272
  Top Layer w10: R33.1 R32.2 C47.2 3878,3413 3919.63,3454.63 U3.4
NetC51_2: C51.2 U1.9 | length 327.6
  Top Layer w10: v1(2360,2855) 2409.84,2805.16 2410,2805.16 U1.9
  Bottom Layer w10: v1(2360,2855) C51.2
NetD2_1: D2.1 R31.1 | length 66.4
  Top Layer w10: D2.1 R31.1
NetD2_2: D2.2 U3.16
NetD3_1: D3.1 R34.1 | length 92.3
  Top Layer w10: D3.1 3694.53,2445 R34.1
NetD3_2: D3.2 U2.68 | length 645.4
  Top Layer w10: D3.2 3610,2632 3664.57,2686.57 U2.68
NetD4_1: D4.1 R35.1 | length 394.4
  Top Layer w10: D4.1 3500,2396 3511,2385 3765,2385 3790,2410 R35.1
NetD4_2: D4.2 U2.67 | length 737.8
  Top Layer w10: D4.2 3500,2588 3618.26,2706.26 U2.67
NetL2_1: L2.1 U3.22 | length 215.3
  Top Layer w10: L2.1 4039.41,3691.41 4005,3657 4005,3626 4055.16,3575.84 U3.22
NetL3_1: L3.1 U3.7
NetL3_2: L3.2 U3.11 | length 64.4
  Top Layer w10: U3.11 4095,3383.29 L3.2
NetR1_2: R1.2 U1.29 | length 211.9
  Top Layer w10: U1.29 2773.58,2536.42 2870,2440 R1.2
NetR3_1: R3.1 U1.52 | length 195.8
  Top Layer w10: U1.52 2773.58,3113.58 2790,3130 2840,3130 2845,3135 R3.1
NetR4_1: R4.1 U1.46 | length 408.4
  Top Layer w10: U1.46 3033.27,2923.27 v1(3055,2945)
  Bottom Layer w10: R4.1 3025,2975 v1(3055,2945)
NetR5_1: R5.1 U1.45 | length 604.8
  Top Layer w10: U1.45 3100,2903.58 3103.58,2903.58 v1(3145,2945)
  Bottom Layer w10: R5.1 3095,2895 v1(3145,2945)
NetR6_1: R6.1 U1.44 | length 827.8
  Top Layer w10: U1.44 3188.9,2883.9 v1@3240,2935
  Bottom Layer w10: R6.1 3120,2815 v1@3240,2935
  other v1: 3240,2940
NetR7_1: R7.1 U1.42 | length 1112.9
  Top Layer w10: U1.42 3346.53,2844.53 v1(3381,2879)
  Bottom Layer w10: R7.1 3112.21,2735 3256.21,2879 v1(3381,2879)
NetR8_1: R8.1 U1.38 | length 684.6
  Top Layer w10: U1.38 3149.21,2765.79 3171,2744 v1(3214,2744)
  Bottom Layer w10: v1@3214,2745 3395,2745 3440,2790 ; 3440,2790.84 R8.1@3440,2911.32
NetR9_1: R9.1 U1.41 | length 1077.6
  Top Layer w10: U1.41 3488.84,2824.84 v1@3509,2845
  Bottom Layer w10: R9.1 3352,2650 3511,2809 v1(3511,2854) v1@3510,2855
NetR10_2: R10.2 U1.27 | length 299.2
  Top Layer w10: U1.27 2734.21,2455.79 v1(2765,2425)
  Bottom Layer w10: R10.2 2730,2460 v1(2765,2425)
NetR21_1: R21.1 T1.1 | length 162.3
  Top Layer w10: R21.1 4816.53,3304.53 4839,3327 T1.1
NetR22_1: R22.1 T1.2 | length 59.2
  Top Layer w10: R22.1 T1.2
NetR22_2: R22.2 U2.64 | length 2362.2
  Top Layer w10: v1(3482,2726) 3521.32,2765.32 U2.64 ; v1(4942,3127) R22.2
  Bottom Layer w10: v1(3482,2726) 3695,2939 4084,2939 4235,3090 4905,3090 v1(4942,3127)
NetR23_1: R23.1 R24.2 U2.21 | length 384.4
  Top Layer w10: U2.21 4927.48,2942.48 4935,2950 R23.1 R24.2
NetR25_2: R25.2 TP3.1 U2.53 | length 381.6
  Top Layer w10: TP3.1 3867,3140 3868,3141 3966,3141 3989.53,3117.47 R25.2 4017,3050 4085.15,2981.85 U2.53
NetR26_1: R26.1 U2.4 | length 494.6
  Top Layer w10: U2.4 5068.17,2607.83 v1@5092,2584
  Bottom Layer w10: R26.1 5057,2490 5087,2520 v1(5087,2567)
NetR30_1: R30.1 U3.15
NetTP1_1: TP1.1 U1.37 | length 478.8
  Top Layer w10: U1.37 3117.9,2746.1 3182,2682 3258,2682 3296,2720 TP1.1
NetU1_34: U1.34 U2.60 | length 1405.3
  Top Layer w10: U1.34 2999.95,2687.05 3089,2598 3201,2598 v1(3203,2596) ; v1@3756,2888 3756,2879 3790.94,2844.06 U2.60
  Bottom Layer w10: v1(3203,2596) 3466,2596 3709,2855 3740,2886 v1(3742,2888)
NetU1_39: U1.39 U2.63 | length 1232.5
  Top Layer w10: U1.39 4135.31,2785.47 U2.63
NetU1_40: U1.40 U2.62 | length 1232.5
  Top Layer w10: U1.40 4135.31,2805.16 U2.62
NetU1_43: U1.43 U2.61 | length 1296.7
  Top Layer w10: U1.43 3274.21,2864.21 3332,2922 3553,2922 3650.63,2824.37 U2.61
NetU1_47: U1.47 U2.49 | length 1523.7
  Top Layer w10: U1.47 2987.95,2942.95 3042.5,2997.5 3561.5,2997.5 3760,3196 4205,3196 4218.46,3182.54 U2.49
NetU2_37: U2.37 U3.24 | length 1152.9
  Top Layer w10: U2.37 4454.69,3136.68 4529,3211
  Top Layer w15: v1(3912,3573) 3978,3573 4005.82,3545.18 U3.24 ; v1(4381,3467) 4529,3319 4529,3211
  Bottom Layer w15: v1(3912,3573) 3914,3571 4362,3571 4381,3552 v1(4381,3467)
NetU2_38: U2.38 U3.8 | length 911.2
  Top Layer w10: U2.38 4435,3147
  Top Layer w15: v1(3948,3295) 3986.42,3295 4035.47,3344.05 U3.8 ; 4435,3147 4465,3177 4465,3277 v1(4482,3294)
  Bottom Layer w15: v1(3948,3295) 4481,3295 v1(4482,3294)
NetU2_39: U2.39 U3.14 | length 612
  Top Layer w10: U3.14 4359.06,3434.95 4445,3349 4445,3207.96 4415.31,3178.27 U2.39
NetU2_40: U2.40 U3.13 | length 581.5
  Top Layer w10: U3.13 4350.74,3415.26 4428,3338 4428,3215 4395.63,3182.63 U2.40
NetU2_43: U2.43 U3.23
NTC: J2.2 R28.2 U3.3 | length 466.6
  Top Layer w10: R28.2 3558,3465 3567,3456 3856,3456 3874.32,3474.32 U3.3
PA1+: AR1.2 J3.2 | length 406.1
  Bottom Layer w10: AR1.2 1885,2466 1967,2384 2048,2384 2082,2350 2082,2269.56 J3.2
PA1-: AR1.3 J3.3 | length 427.3
  Bottom Layer w10: AR1.3 1835,2442 1915,2362 2019,2362 2052,2329 J3.3
PA1_ACOND: C18.2 U1.16 | length 383.1
  Top Layer w10: v1(2329,2550) 2329,2597 2399.36,2667.36 U1.16
  Bottom Layer w10: C18.2 v1(2329,2550)
PA2+: AR2.2 J4.2 | length 434.7
  Top Layer w10: AR2.2 1895,2468 2011.5,2351.5 J4.2
PA2-: AR2.3 J4.3 | length 427.1
  Top Layer w10: AR2.3 1945,2462 2043,2364 J4.3
PA2_ACOND: C23.2 U1.14 | length 318
  Top Layer w10: C23.2 2293,2680 2319.73,2706.73 U1.14
PEDAL: J8.2 U2.81 | length 452.1
  Top Layer w10: J8.2 4270,2357 4297.2,2384.2 U2.81
RESET: C38.1 J1.10 R27.1 U2.17 | length 1430.2
  Top Layer w10: v1(4626,2864) 4626.26,2863.74 U2.17 ; v1(5052,2333) 5055.3,2329.7 J1.10
  Bottom Layer w10: C38.1 v1(4626,2864) 5052,2864 5130,2786 5130,2411 v1(5052,2333) 5019.53,2365.47 R27.1
RLD: C2.2 J6.1 J55.1 R2.1 U1.62 U1.63 | length 817.9
  Top Layer w10: J6.1 2134.99,3375.01 2149,3361 2516,3361 2535,3342 2535,3240.47 R2.1 2535.47,3114.53 2557.05,3092.95 U1.63 U1.62
U_N: D1.3 J7.2 L1.4 | length 218.8
  Top Layer w15: L1.4 4558,3428 4567,3419 4676.98,3419 D1.3
U_P: D1.2 J7.3 L1.1 | length 196.8
  Top Layer w15: J7.3 4662,3517 4641,3496 L1.1 D1.2
US_N: L1.3 R19.1 | length 81.4
  Top Layer w15: L1.3 4558,3345 4570,3333 R19.1
US_P: L1.2 R20.1 | length 81
  Top Layer w15: R20.1 4630,3331 4641,3342 L1.2
USB_N: R19.2 U2.30 | length 170.6
  Top Layer w10: R19.2 4570,3175 4592.48,3152.52 U2.30
USB_P: R20.2 R21.2 U2.29 | length 268.6
  Top Layer w10: U2.29 4612.17,3187.17 4630,3205 R20.2
  Top Layer w15: R20.2 R21.2
VBAT: J2.3 U3.19
VBOUT: C42.1 C45.2 L2.2 R31.2 TP5.1 U3.9 U3.20 | length 394.2
  Top Layer w10: U3.20 L2.2 4154.53,3725.47 C45.2 C42.1 4230.47,3725.47 R31.2
VBUS: C41.1 D1.4 J7.1 R23.2 R28.1 TP4.1 U3.21 | length 1192.2
  Top Layer w10: C41.1 3410,3582 3438.94,3553.06 R28.1
  Top Layer w15: v1(4713.18,3767.18) J7.1 4713.18,3527.82 4734,3507 4739.42,3507 4747.91,3498.5 4747.91,3401.09 4774.61,3374.39 D1.4
  Bottom Layer w15: 4168.18,3767.18 v1(4713.18,3767.18)
VDD: C1.1 C3.1 C32.1 C33.1 C34.1 C35.1 C36.1 C37.1 C46.1 C49.1 C50.1 C52.1 J1.1 J9.4 L4.1 R3.2 R8.2 R25.1 R26.2 R27.2 R32.1 R34.2 R35.2 T1.3 TP7.1 U1.48 U1.50 U2.19 U2.28 U2.42 U2.54 U2.71 U2.84 U2.96 U3.10 | length 8904.9
  Top Layer w10: U1.50 2812.95,2987.05 2837.36,2962.64 U1.48 2962.64,2962.64 2990,2990 C3.1@2990,3066.47 ; R3.2 2845,3230.47 2864.53,3250 3010,3250 3040,3220 3040,3060 ; C1.1 C3.1 3020.53,3067.47 3028,3060 3040,3060 ; R34.2 R35.2 ; R32.1 3814,3300 3750,3236 ; J9.4 3830,2115 3850.47,2135.47 C50.1 C49.1 3850.47,2497.53 3838.47,2509.53 R35.2 ; R25.1 3930.47,2985 C33.1 3929.53,2975 4060,2975 4072.83,2962.17 U2.54 4341.17,2962.17 4356.26,2977.26 U2.42 4356.26,3228.74 4335.47,3249.53 C37.1 ; U3.10 4074.84,3355.84 3955,3236 3750,3236 ; 4290,2965 v1(4290,2995) ; v1@4300,2750 4291,2741 4291,2691 4225.74,2625.74 4135.79,2625.74 U2.71 3902.48,2627.52 3890.47,2639.53 C35.1 3800.53,2639.53 3790,2629 R35.2 ; C36.1 4374.53,2375.47 4356.26,2393.74 U2.84 4356.26,2551.26 4365,2560 4425,2560 ; v1(4425,2610) 4425,2560 ; C34.1 4575.47,2390.47 4592.48,2407.48 U2.96 4592.48,2560 4425,2560 ; U2.28 v1(4631.85,2995) 4631.85,2903.11 U2.19 ; T1.3 4985.94,3287 v1(5115,3287) ; J1.1 5368,2430 5377,2421 v1(5408,2421) ; 3040,3060 3088,3060 3088,3152 3172,3236 L4.1 C46.1 C52.1 3750,3236
  Bottom Layer w10: v1(3089,3061) 3091,3059 3397,3059 3438,3018 3438,2981.53 R8.2 R8.2@3443.53,2976 ; v1@4290,2760 v1(4290,2995) ; v1(4291,2750) 4291,2672 4353,2610 v1(4425,2610) 4426,2609 4506,2609 4625,2490 R26.2 R27.2 4960.47,2303.53 5011,2253 5353,2253 5408,2308 5408,2417 v1@5418,2427 ; v1@4300,2995 v1(4631.85,2995) 4896,2995 5115,3214 v1(5115,3287)
pads on no net: J1.7 J3.7 J4.7 J6.7 J7.0 J55.7 U1.1 U1.2 U1.3 U1.4 U1.5 U1.6 U1.7 U1.8 U1.17 U1.18 U1.60 U2.6 U2.7 U2.8 U2.9 U2.13 U2.14 U2.16 U2.18 U2.20 U2.24 U2.25 U2.26 U2.27 U2.32 U2.33 U2.34 U2.35 U2.36 U2.44 U2.45 U2.46 U2.47 U2.48 U2.50 U2.51 U2.52 U2.56 U2.57 U2.58 U2.59 U2.69 U2.70 U2.76 U2.77 U2.78 U2.79 U2.80 U2.82 U2.85 U2.86 U2.87 U2.88 U2.89 U2.90 U2.91 U2.92 U2.93 U2.94 U2.95 U2.98 U2.99 U2.100 U3.18 U4.1
copper on no net: | length 4.2
  Top Layer w10: 5554,3959 5557,3956

## Keep-outs
Keep-Out Layer:
  lines w10: 1661,1947 5557,1947 5557,3969 1661,3969 1661,1947

## Silkscreen, mask and mechanical layers (free items; w line width, h text height)
Mechanical 1:
  text "supply star" at 4273,3157 h30
  text "supply star" at 3453,2717 h30 r90
  text "supply star" at 3772,2124 h30